# Altium PCB obc_board.PcbDoc (part 1 of 2) (continued)
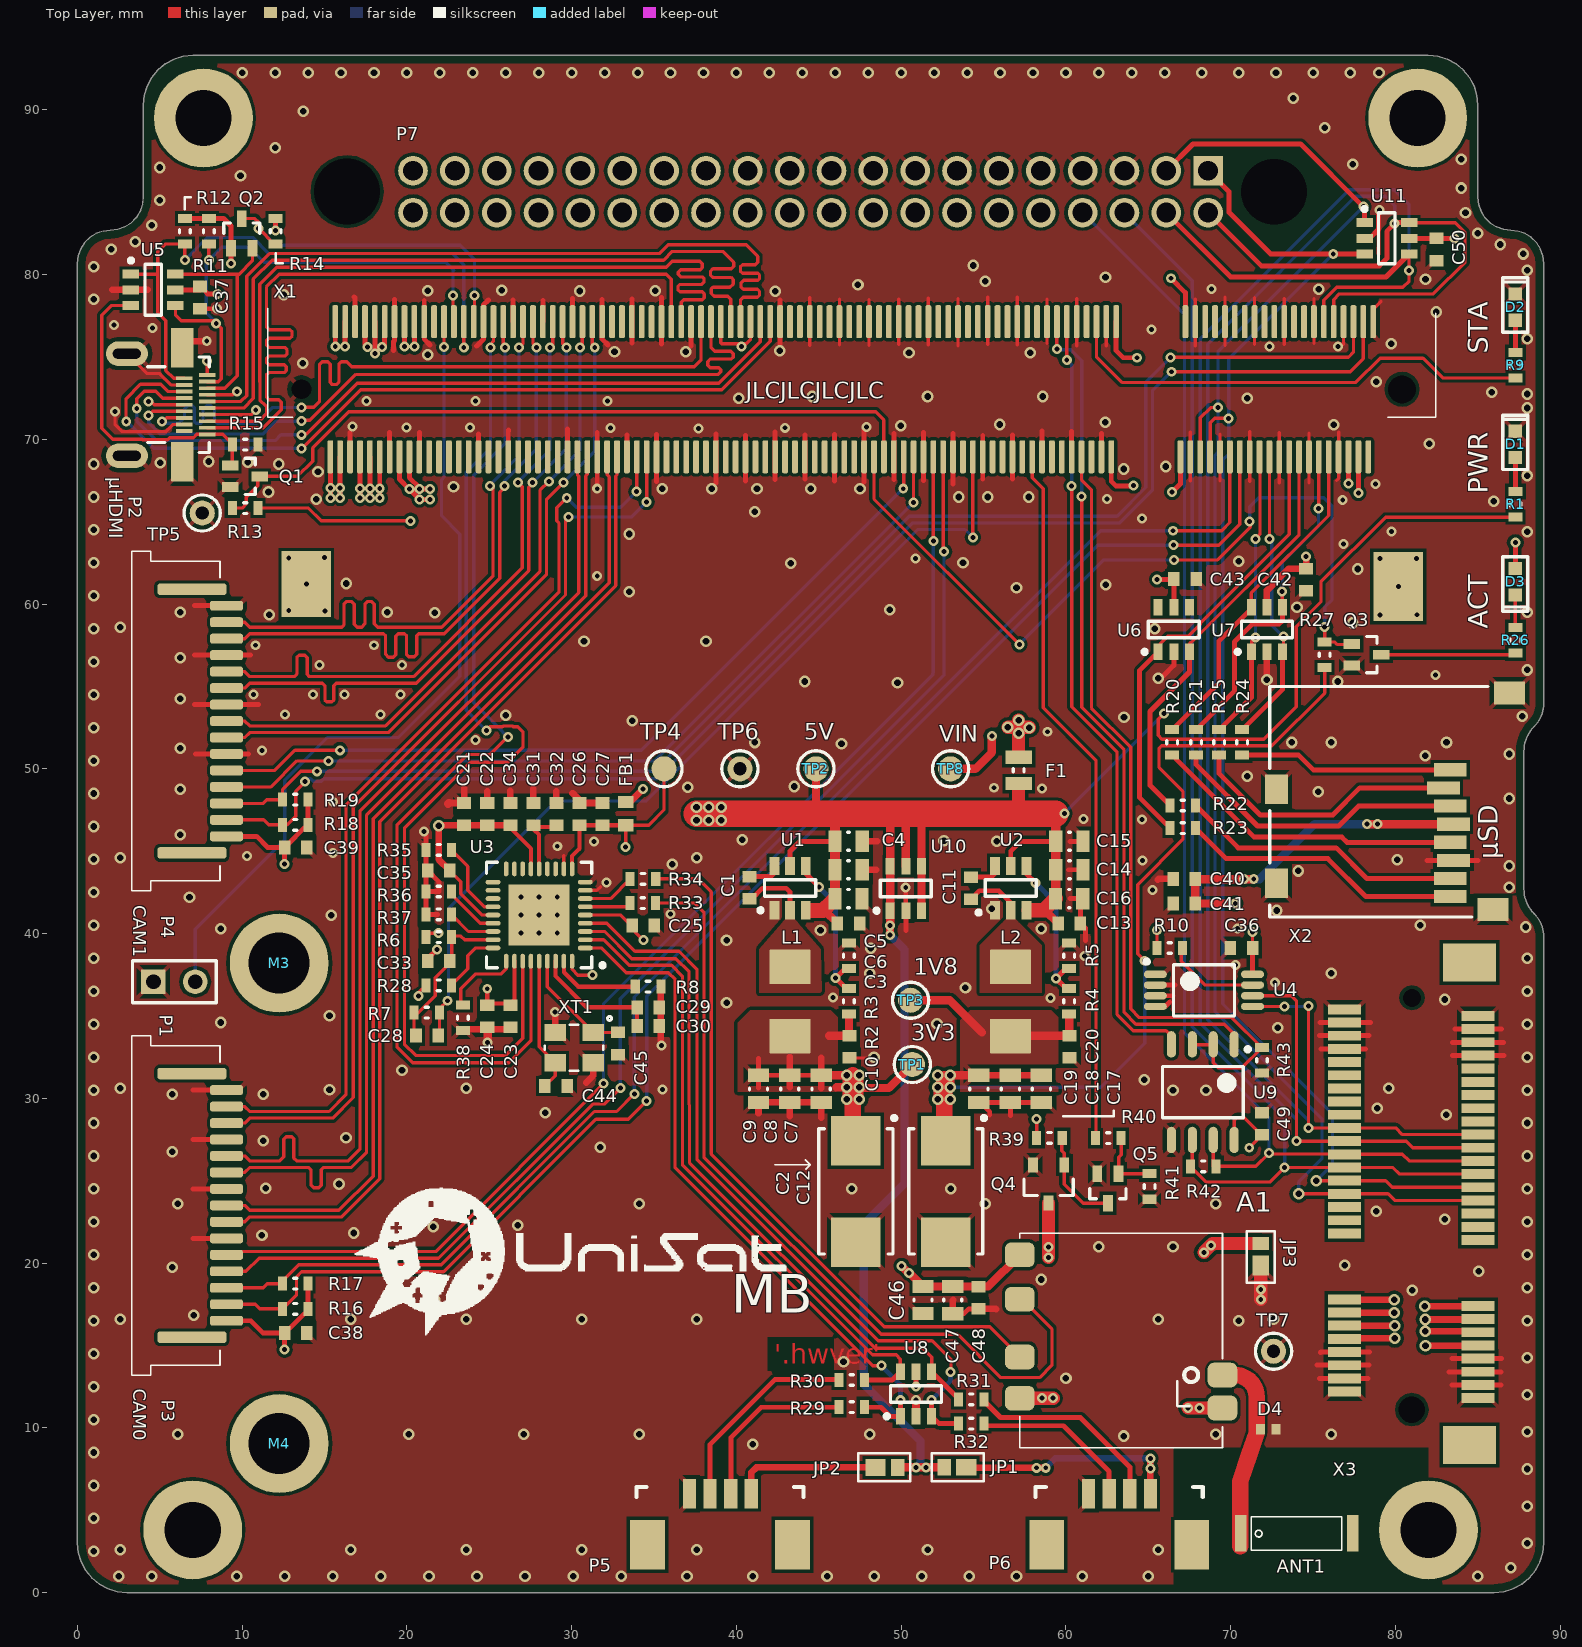
[diagram p0: Top Layer view]
## Components (designator, comment, footprint, x,y, rotation, side; value= is the part's Value field where it differs from the comment)
A1 "RTL8188CUS" RTL8188 69.5,8.8 r180 top locked
ANT1 "ANT7020LL05R2400A" ANT7020LL05 70.6,3.6 r0 top
C1 "100n" C0603_IPC_HD 40.8,42.775 r90 top
C2 "220u" TANT_CAP_7343 47.25,24.35 r270 top
C3 "100n" C0603_IPC_HD 46.8,40.625 r0 top
C4 "10u" C0805_IPC_HD 46.811,45.6 r180 top
C5 "10u" C0805_IPC_HD 46.811,43.875 r180 top
C6 "22u" C0805_IPC_HD 46.803,42.125 r0 top
C7 "22u" C0805_IPC_HD 45.138,30.575 r270 top
C8 "22u" C0805_IPC_HD 43.238,30.575 r270 top
C9 "22u" C0805_IPC_HD 41.338,30.575 r270 top
C10 "100n" C0603_IPC_HD 46.852,33.125 r270 top
C11 "100n" C0603_IPC_HD 54.225,42.755 r90 top
C12 "220u" TANT_CAP_7343 52.7,24.35 r270 top
C13 "100n" C0603_IPC_HD 60.2,40.625 r0 top
C14 "10u" C0805_IPC_HD 60.208,43.875 r180 top
C15 "10u" C0805_IPC_HD 60.208,45.6 r180 top
C16 "22u" C0805_IPC_HD 60.2,42.125 r0 top
C17 "22u" C0805_IPC_HD 58.513,30.575 r270 top
C18 "22u" C0805_IPC_HD 56.625,30.575 r270 top
C19 "22u" C0805_IPC_HD 54.713,30.575 r270 top
C20 "100n" C0603_IPC_HD 60.225,33.125 r270 top
C21 "1u" C0603_IPC_HD 23.475,47.25 r270 top
C22 "100n" C0603_IPC_HD 24.875,47.25 r270 top
C23 "100n" C0603_IPC_HD 26.275,34.975 r90 top
C24 "100n" C0603_IPC_HD 24.875,34.975 r90 top
C25 "100n" C0603_IPC_HD 34.35,40.475 r180 top
C26 "100n" C0603_IPC_HD 30.475,47.25 r270 top
C27 "100n" C0603_IPC_HD 31.875,47.25 r270 top
C28 "100n" C0603_IPC_HD 21.225,33.8 r180 top
C29 "100n" C0603_IPC_HD 34.65,35.525 r180 top
C30 "1u" C0603_IPC_HD 34.65,34.375 r180 top
C31 "100n" C0603_IPC_HD 27.675,47.25 r270 top
C32 "1u" C0603_IPC_HD 29.075,47.25 r270 top
C33 "100n" C0603_IPC_HD 21.925,38.32 r180 top
C34 "100n" C0603_IPC_HD 26.275,47.25 r270 top
C35 "100n" C0603_IPC_HD 21.925,43.825 r0 top
C36 "100n" C0603_IPC_HD 70.65,39.125 r0 top
C37 "100n" C0603_IPC_HD 7.45,78.6 r90 top
C38 "100n" C0603_IPC_HD 13.25,15.75 r180 top
C39 "100n" C0603_IPC_HD 13.25,45.225 r180 top
C40 "100n" C0603_IPC_HD 67.175,43.325 r0 top
C41 "1u" C0603_IPC_HD 67.175,41.825 r0 top
C42 "100n" C0603_IPC_HD 74.575,61.475 r90 top
C43 "100n" C0603_IPC_HD 67.225,61.525 r180 top
C44 "18p" C0603_IPC_HD 29.05,30.75 r180 top
C45 "18p" C0603_IPC_HD 32.825,33.325 r90 top
C46 "22u" C0805_IPC_HD 51.325,17.758 r270 top
C47 "10u" C0805_IPC_HD 53.125,17.75 r90 top
C48 "100n" C0603_IPC_HD 54.7,17.9 r90 top
C49 "100n" C0603_IPC_HD 71.9,28.45 r270 top
C50 "100n" C0603_IPC_HD 82.5,81.525 r90 top
D1 "LTST-C190GKT" LED_0603 87.275,69.687 r270 top
D2 "LTST-C190GKT" LED_0603 87.275,78.025 r270 top
D3 "LTST-C190GKT" LED_0603 87.275,61.35 r90 top
D4 "LXES15AAA1-153" C0402_IPC_MD 72.275,9.925 r180 top
F1 "3A" F0603_IPC_MD 57.125,49.9 r270 top
FB1 "MH1608-601Y" L0603_IPC_MD 33.275,47.28 r270 top
JP1 "Jumper" SOLDERHUMP1 53.45,7.606 r180 top
JP2 "Jumper" SOLDERHUMP1 48.95,7.6 r0 top
JP3 "Jumper" SOLDERHUMP1 71.825,20.35 r90 top
L1 "2.2uH" ASPI-0520LR 43.25,35.875 r270 top
L2 "2.2uH" ASPI-0520LR 56.637,35.875 r270 top
M3 "9774030151R" 9774030151R 12.247,38.203 r0 top locked
M4 "9774030151R" 9774030151R 12.247,9.047 r0 top locked
P1 "RESET" HDR1X2 4.61,37.075 r0 top
P2 "10118241-001RLF" 10118241-001RLF 1.3,72.1 r270 top locked
P3 "SFW15R-1STE1LF" SFW15R-1STE1LF 8,23.5 r270 top locked
P4 "SFW15R-1STE1LF" SFW15R-1STE1LF 8,52.9 r270 top locked
P5 "PicoBlade_4R" PB_53261-0471_RIGHT 40.9,6 r180 top locked
P6 "PicoBlade_4R" PB_53261-0471_RIGHT 65.125,6 r180 top
P7 "55040F" HEADER_40PIN_12MM2 68.63,86.3 r180 top locked
Q1 "BSS816NW" SOT323 10.175,67.75 r0 top
Q2 "BSS816NW" SOT323 9.975,82.5 r90 top
Q3 "BSS816NW" SOT323 78.25,56.925 r0 top
Q4 "DMG2302UK-7" SOT23 58.95,24.8 r270 top
Q5 "BSS816NW" SOT323 62.55,24.525 r270 top
R1 "1k" R0603_IPC_MD 87.275,66.05 r270 top
R2 "33.2k" R0603_IPC_MD 46.825,35.9 r270 top
R3 "10.0k" R0603_IPC_MD 46.825,38.65 r270 top
R4 "13.7k" R0603_IPC_MD 60.2,35.9 r270 top
R5 "10.0k" R0603_IPC_MD 60.2,38.65 r270 top
R6 "100k" R0603_IPC_MD 21.939,39.783 r180 top
R7 "1k" R0603_IPC_MD 21.2,35.2 r180 top
R8 "12k" R0603_IPC_MD 34.634,36.775 r180 top
R9 "330R" R0603_IPC_MD 87.275,74.5 r270 top
R10 "100k" R0603_IPC_MD 66.3,39.125 r180 top
R11 "1.8K" R0603_IPC_MD 7.975,82.625 r90 top
R12 "1.8K" R0603_IPC_MD 6.522,82.625 r90 top
R13 "100k" R0603_IPC_MD 10.175,65.825 r0 top
R14 "100k" R0603_IPC_MD 12.025,82.625 r90 top
R15 "100k" R0603_IPC_MD 10.175,69.675 r180 top
R16 "1.8K" R0603_IPC_MD 13.225,17.225 r0 top
R17 "1.8K" R0603_IPC_MD 13.225,18.75 r0 top
R18 "1.8K" R0603_IPC_MD 13.225,46.6 r0 top
R19 "1.8K" R0603_IPC_MD 13.225,48.125 r0 top
R20 "22R" R0603_IPC_MD 66.45,51.6 r270 top
R21 "22R" R0603_IPC_MD 67.9,51.6 r270 top
R22 "22R" R0603_IPC_MD 67.1,47.775 r0 top
R23 "22R" R0603_IPC_MD 67.1,46.4 r0 top
R24 "22R" R0603_IPC_MD 70.7,51.6 r270 top
R25 "22R" R0603_IPC_MD 69.3,51.6 r270 top
R26 "330R" R0603_IPC_MD 87.275,57.8 r90 top
R27 "100k" R0603_IPC_MD 75.7,56.925 r270 top
R28 "22R" R0603_IPC_MD 21.925,36.85 r0 top
R29 "22R" R0603_IPC_MD 47,11.25 r180 top
R30 "22R" R0603_IPC_MD 47,12.9 r180 top
R31 "22R" R0603_IPC_MD 54.25,11.725 r0 top
R32 "22R" R0603_IPC_MD 54.25,10.25 r0 top
R33 "22R" R0603_IPC_MD 34.325,41.85 r0 top
R34 "22R" R0603_IPC_MD 34.327,43.319 r0 top
R35 "100k" R0603_IPC_MD 21.925,45.075 r0 top
R36 "100k" R0603_IPC_MD 21.925,42.555 r0 top
R37 "100k" R0603_IPC_MD 21.925,41.16 r0 top
R38 "100k" R0603_IPC_MD 23.4,34.9 r90 top
R39 "100k" R0603_IPC_MD 59,27.6 r180 top
R40 "1k" R0603_IPC_MD 62.575,27.578 r0 top
R41 "100k" R0603_IPC_MD 65.075,24.65 r90 top
R42 "120R" R0603_IPC_MD 68.325,25.875 r180 top
R43 "100k" R0603_IPC_MD 71.9,32.3 r90 top
TP1 "3V3" TestPoint_1M5 50.675,32.05 r180 top
TP2 "5V" TestPoint_1M5 44.827,50 r0 top
TP3 "1V8" TestPoint_1M5 50.575,35.95 r180 top
TP4 "VDDA_USB" TestPoint_1M5 35.6,50 r90 top
TP5 "Test Point" TestPoint_1M5_TH 7.575,65.525 r0 top
TP6 "Test Point" TestPoint_1M5_TH 40.213,50 r0 top
TP7 "Test Point" TestPoint_1M5_TH 72.6,14.65 r0 top
TP8 "VIN" TestPoint_1M5 53,50 r0 top
U1 "TPS565201DDCR" SOT23-6_(TI) 43.258,42.762 r90 top
U2 "TPS565201DDCR" SOT23-6_(TI) 56.65,42.762 r90 top
U3 "USB2514B/M2" QFN36 28.025,41.125 r180 top
U4 "M24C64-RDW6TP" TSSOP8_(ST) 68.375,36.55 r0 top
U5 "TPD4E001DBVR" SOT23-6 4.6,79.075 r0 top
U6 "TPD4E001DBVR" SOT23-6 66.55,58.45 r90 top
U7 "TPD4E001DBVR" SOT23-6 72.2,58.45 r90 top
U8 "TPD4E001DBVR" SOT23-6 50.9,12.05 r90 top
U9 "ST1480ABDR" SOIC-8 68.305,30.375 r270 top
U10 "TPD4E001DBVR" SOT23-6 50.279,42.737 r90 top
U11 "TPD4E001DBVR" SOT23-6 79.475,82.2 r0 top
X1 "1717254-4" 1717254-1 47,69.1 r180 top locked
X2 "TF-02A" TF-02A 80.1,48 r90 top locked
X3 "1775838-2" 1775838-2 81,11.1 r90 top locked
XT1 "TSX-3225-24.0000MF15X-AC6" 3.2x2.5_4pad_smd 30.15,33.075 r180 top

## Footprints (in the part's own frame and the unit in brackets; to place one, negate y for a bottom-side part, rotate by r counter-clockwise, add the part's x,y. Pads: shape width x height; smd on the part's side, far side on the other; paste and mask are expansions set on the pad)
3.2x2.5_4pad_smd [mm] "3.2x2.5mm 4Pad SMD"
  rect 1.3x1.05 smd paste+0: 1(-1.15,-0.925) 2(1.15,-0.925) 3(1.15,0.925) 4(-1.15,0.925)
  silkscreen extent -2.28,-1.9 1.78,1.4, body extent -1.6,-1.24 1.6,1.24, height 0.8
1717254-1 [mm] "CONN SKT SODIMM 200POS R/A SMD"
  rrect50% 0x0 hole 1.7 paste-0.05 mask+0.052: 0(-33.4,-3.938)
  rrect50% 0.35x2 smd paste-0.05 mask+0.052: 1(-31.65,-8.038) 2(-31.35,0.162) 3(-31.05,-8.038) 4(-30.75,0.162) 5(-30.45,-8.038) 6(-30.15,0.162) 7(-29.85,-8.038) 8(-29.55,0.162) 9(-29.25,-8.038) 10(-28.95,0.162) 11(-28.65,-8.038) 12(-28.35,0.162) 13(-28.05,-8.038) 14(-27.75,0.162) 15(-27.45,-8.038) 16(-27.15,0.162) 17(-26.85,-8.038) 18(-26.55,0.162) 19(-26.25,-8.038) 20(-25.95,0.162) 21(-25.65,-8.038) 22(-25.35,0.162) 23(-25.05,-8.038) 24(-24.75,0.162) 25(-24.45,-8.038) 26(-24.15,0.162) 27(-23.85,-8.038) 28(-23.55,0.162) 29(-23.25,-8.038) 30(-22.95,0.162) 31(-22.65,-8.038) 32(-22.35,0.162) 33(-22.05,-8.038) 34(-21.75,0.162) 35(-21.45,-8.038) 36(-21.15,0.162) 37(-20.85,-8.038) 38(-20.55,0.162) 39(-20.25,-8.038) 40(-19.95,0.162) 41(-16.05,-8.038) 42(-15.75,0.162) 43(-15.45,-8.038) 44(-15.15,0.162) 45(-14.85,-8.038) 46(-14.55,0.162) 47(-14.25,-8.038) 48(-13.95,0.162) 49(-13.65,-8.038) 50(-13.35,0.162) 51(-13.05,-8.038) 52(-12.75,0.162) 53(-12.45,-8.038) 54(-12.15,0.162) 55(-11.85,-8.038) 56(-11.55,0.162) 57(-11.25,-8.038) 58(-10.95,0.162) 59(-10.65,-8.038) 60(-10.35,0.162) 61(-10.05,-8.038) 62(-9.75,0.162) 63(-9.45,-8.038) 64(-9.15,0.162) 65(-8.85,-8.038) 66(-8.55,0.162) 67(-8.25,-8.038) 68(-7.95,0.162) 69(-7.65,-8.038) 70(-7.35,0.162) 71(-7.05,-8.038) 72(-6.75,0.162) 73(-6.45,-8.038) 74(-6.15,0.162) 75(-5.85,-8.038) 76(-5.55,0.162) 77(-5.25,-8.038) 78(-4.95,0.162) 79(-4.65,-8.038) 80(-4.35,0.162) 81(-4.05,-8.038) 82(-3.75,0.162) 83(-3.45,-8.038) 84(-3.15,0.162) 85(-2.85,-8.038) 86(-2.55,0.162) 87(-2.25,-8.038) 88(-1.95,0.162) 89(-1.65,-8.038) 90(-1.35,0.162) 91(-1.05,-8.038) 92(-0.75,0.162) 93(-0.45,-8.038) 94(-0.15,0.162) 95(0.15,-8.038) 96(0.45,0.162) 97(0.75,-8.038) 98(1.05,0.162) 99(1.35,-8.038) 100(1.65,0.162) 101(1.95,-8.038) 102(2.25,0.162) 103(2.55,-8.038) 104(2.85,0.162) 105(3.15,-8.038) 106(3.45,0.162) 107(3.75,-8.038) 108(4.05,0.162) 109(4.35,-8.038) 110(4.65,0.162) 111(4.95,-8.038) 112(5.25,0.162) 113(5.55,-8.038) 114(5.85,0.162) 115(6.15,-8.038) 116(6.45,0.162) 117(6.75,-8.038) 118(7.05,0.162) 119(7.35,-8.038) 120(7.65,0.162) 121(7.95,-8.038) 122(8.25,0.162) 123(8.55,-8.038) 124(8.85,0.162) 125(9.15,-8.038) 126(9.45,0.162) 127(9.75,-8.038) 128(10.05,0.162) 129(10.35,-8.038) 130(10.65,0.162) 131(10.95,-8.038) 132(11.25,0.162) 133(11.55,-8.038) 134(11.85,0.162) 135(12.15,-8.038) 136(12.45,0.162) 137(12.75,-8.038) 138(13.05,0.162) 139(13.35,-8.038) 140(13.65,0.162) 141(13.95,-8.038) 142(14.25,0.162) 143(14.55,-8.038) 144(14.85,0.162) 145(15.15,-8.038) 146(15.45,0.162) 147(15.75,-8.038) 148(16.05,0.162) 149(16.35,-8.038) 150(16.65,0.162) 151(16.95,-8.038) 152(17.25,0.162) 153(17.55,-8.038) 154(17.85,0.162) 155(18.15,-8.038) 156(18.45,0.162) 157(18.75,-8.038) 158(19.05,0.162) 159(19.35,-8.038) 160(19.65,0.162) 161(19.95,-8.038) 162(20.25,0.162) 163(20.55,-8.038) 164(20.85,0.162) 165(21.15,-8.038) 166(21.45,0.162) 167(21.75,-8.038) 168(22.05,0.162) 169(22.35,-8.038) 170(22.65,0.162) 171(22.95,-8.038) 172(23.25,0.162) 173(23.55,-8.038) 174(23.85,0.162) 175(24.15,-8.038) 176(24.45,0.162) 177(24.75,-8.038) 178(25.05,0.162) 179(25.35,-8.038) 180(25.65,0.162) 181(25.95,-8.038) 182(26.25,0.162) 183(26.55,-8.038) 184(26.85,0.162) 185(27.15,-8.038) 186(27.45,0.162) 187(27.75,-8.038) 188(28.05,0.162) 189(28.35,-8.038) 190(28.65,0.162) 191(28.95,-8.038) 192(29.25,0.162) 193(29.55,-8.038) 194(29.85,0.162) 195(30.15,-8.038) 196(30.45,0.162) 197(30.75,-8.038) 198(31.05,0.162) 199(31.35,-8.038) 200(31.65,0.162)
  rrect50% 0x0 hole 1.2 paste-0.05 mask+0.052: 1(33.4,-3.938)
  rect 3x4.2 smd mask+0.052: PAD1(-33.175,8.038)
  rect 3x4 smd mask+0.052: PAD2(33.1,7.887)
  silkscreen extent -35.45,-8.84 35.45,-2.24, body extent -35.75,-8.94 35.75,17.1, height 5.18
1775838-2 [mm] "CONN PCI EXP MINI FEMALE 52POS"
  rect 1x1 hole 1.6 unplated: 0(0,0)
  round 1 hole 1.1 unplated mask+0.051: 0(25,0)
  rect 0.6x2 smd mask+0.051: 1(0.7,-4) 2(1.1,4.1) 3(1.5,-4) 4(1.9,4.1) 5(2.3,-4) 6(2.7,4.1) 7(3.1,-4) 8(3.5,4.1) 9(3.9,-4) 10(4.3,4.1) 11(4.7,-4) 12(5.1,4.1) 13(5.5,-4) 14(5.9,4.1) 15(6.3,-4) 16(6.7,4.1) 17(10.3,-4) 18(10.7,4.1) 19(11.1,-4) 20(11.5,4.1) 21(11.9,-4) 22(12.3,4.1) 23(12.7,-4) 24(13.1,4.1) 25(13.5,-4) 26(13.9,4.1) 27(14.3,-4) 28(14.7,4.1) 29(15.1,-4) 30(15.5,4.1) 31(15.9,-4) 32(16.3,4.1) 33(16.7,-4) 34(17.1,4.1) 35(17.5,-4) 36(17.9,4.1) 37(18.3,-4) 38(18.7,4.1) 39(19.1,-4) 40(19.5,4.1) 41(19.9,-4) 42(20.3,4.1) 43(20.7,-4) 44(21.1,4.1) 45(21.5,-4) 46(21.9,4.1) 47(22.3,-4) 48(22.7,4.1) 49(23.1,-4) 50(23.5,4.1) 51(23.9,-4) 52(24.3,4.1)
  rect 2.3x3.2 smd: MNT1(-2.15,-3.5) MNT2(27.15,-3.5)
  body extent -2.45,-4.56 27.45,4.51, height 5.57
10118241-001RLF [mm] "HDMI - Micro Receptacle Connector 19 Position Surface Mount, Right Angle; Through Hole"
  rrect5% 0.23x1 smd paste-3 mask+0.051: 1(1.8,6.575) 2(1.6,5.175) 3(1.4,6.575) 4(1.2,5.175) 5(1,6.575) 6(0.8,5.175) 7(0.6,6.575) 8(0.4,5.175) 9(0.2,6.575) 10(0,5.175) 11(-0.2,6.575) 12(-0.4,5.175) 13(-0.6,6.575) 14(-0.8,5.175) 15(-1,6.575) 16(-1.2,5.175) 17(-1.4,6.575) 18(-1.6,5.175) 19(-1.8,6.575)
  rrect5% 2.4x1.38 smd: 20(3.45,5.07) 22(-3.45,5.07)
  oval 1.5x2.55 hole 0.6 slot 1.7 at 90 deg: 21(3.1,1.7) 23(-3.1,1.7)
  silkscreen extent -2.9,2.98 2.9,6.7, body extent -4.45,-0.7 4.45,6.8, height 2.98
9774030151R [mm] "PCB HOLDER M2.5 height 3 mm"
  round 6 hole 3.7 unplated: 0(0,0)
  body extent -2.55,-2.55 2.55,2.55, height 3
ANT7020LL05 [mm] "RF ANT CHIP SOLDER SMD"
  rect 0.7x2.2 smd: 1(0,0) 2(6.8,0)
  silkscreen extent 0.65,-1.02 6.15,1, body extent -0.1,-1.01 6.9,1.01, height 0.76
ASPI-0520LR [mm] "Unshielded Molded Inductor 5.6x5.2x2.2mm Nonstandard"
  rrect5% 2.1x2.5 smd: 1(-2.1,0) 2(2.1,0)
  body extent -2.8,-2.6 2.8,2.6, height 2
C0402_IPC_MD [mm] "Chip Capacitor, 2-Leads, Body 1,00x0,50mm, IPC Medium Density"
  rect 0.55x0.64 smd: 1(-0.475,0) 2(0.475,0)
  body extent -0.5,-0.25 0.5,0.25, height 0.5
C0603_IPC_HD [mm] "Chip Capacitor, 2-Leads, Body 1,60x0,80mm, IPC High Density"
  rect 0.7x0.85 smd: 1(-0.675,0) 2(0.675,0)
  body extent -0.8,-0.4 0.8,0.4, height 0.8
C0805_IPC_HD [mm] "Chip Capacitor, 2-Leads, Body 2,00x1,25mm, IPC High Density"
  rect 0.8x1.3 smd: 1(-0.825,0) 2(0.825,0)
  silkscreen extent -0.05,-0.55 0.05,0.55, body extent -1,-0.63 1,0.63, height 1.25
F0603_IPC_MD [mm] "Chip Fuse 2-Leads, Body 1,60x0,80mm, IPC Medium Density"
  rect 0.8x1.6 smd: 1(-0.8,0) 2(0.8,0)
  silkscreen extent -0.1,-0.33 0.1,0.33, body extent -0.87,-0.47 0.88,0.48, height 0.95
HDR1X2 [mm] "Connector; Header; 2 Position"
  rect 1.5x1.5 hole 0.9: 1(0,0)
  round 1.5 hole 0.9: 2(2.54,0)
  silkscreen extent -1.27,-1.27 3.81,1.27
HEADER_40PIN_12MM2 [mm] "CONN HEADER R/A 40POS 2.54MM"
  rect 1.8x1.8 hole 1.2: 1(0,0)
  round 1.8 hole 1.2: 2(0,2.54) 3(2.54,0) 4(2.54,2.54) 5(5.08,0) 6(5.08,2.54) 7(7.62,0) 8(7.62,2.54) 9(10.16,0) 10(10.16,2.54) 11(12.7,0) 12(12.7,2.54) 13(15.24,0) 14(15.24,2.54) 15(17.78,0) 16(17.78,2.54) 17(20.32,0) 18(20.32,2.54) 19(22.86,0) 20(22.86,2.54) 21(25.4,0) 22(25.4,2.54) 23(27.94,0) 24(27.94,2.54) 25(30.48,0) 26(30.48,2.54) 27(33.02,0) 28(33.02,2.54) 29(35.56,0) 30(35.56,2.54) 31(38.1,0) 32(38.1,2.54) 33(40.64,0) 34(40.64,2.54) 35(43.18,0) 36(43.18,2.54) 37(45.72,0) 38(45.72,2.54) 39(48.26,0) 40(48.26,2.54)
  round 2 hole 4 unplated mask+0: PMNT1(-4,1.275) PMNT2(52.26,1.27)
  body extent -1.5,-1.26 49.81,3.82, height 11.05
L0603_IPC_MD [mm] "Chip Inductor, 2-Leads, Body 1,60x0,80mm, IPC Medium Density"
  rect 0.75x0.94 smd: 1(-0.705,0) 2(0.705,0)
  body extent -0.85,-0.4 0.85,0.4, height 0.8
LED_0603 [mm]
  rect 0.8x0.8 smd: 1(-0.8,0) 2(0.8,0)
  silkscreen extent -1.78,-0.76 1.52,0.76, body extent -0.85,-0.4 0.85,0.4, height 0.66
PB_53261-0471_RIGHT [mm]
  rect 0.8x1.8 smd: 1(0,0) 2(1.25,0) 3(2.5,0) 4(3.75,0)
  rect 2.1x3 smd: 5(-2.5,3.1) 5(6.3,3.1)
  silkscreen extent -3.17,-0.4 6.98,0.2, body extent -3.17,-0.4 6.97,4.8, height 3.4
QFN36 [mm] "QFN, 36-Leads, Body 6.00x6.00mm, Pitch 0.50mm, Thermal Pad 3.70x3.70mm, IPC High Density"
  oval 0.9x0.28 smd mask+0.051: 1(-2.8,2) 2(-2.8,1.5) 3(-2.8,1) 4(-2.8,0.5) 5(-2.8,0) 6(-2.8,-0.5) 7(-2.8,-1) 8(-2.8,-1.5) 9(-2.8,-2) 19(2.8,-2) 20(2.8,-1.5) 21(2.8,-1) 22(2.8,-0.5) 23(2.8,0) 24(2.8,0.5) 25(2.8,1) 26(2.8,1.5) 27(2.8,2)
  oval 0.28x0.9 smd mask+0.051: 10(-2,-2.8) 11(-1.5,-2.8) 12(-1,-2.8) 13(-0.5,-2.8) 14(0,-2.8) 15(0.5,-2.8) 16(1,-2.8) 17(1.5,-2.8) 18(2,-2.8) 28(2,2.8) 29(1.5,2.8) 30(1,2.8) 31(0.5,2.8) 32(0,2.8) 33(-0.5,2.8) 34(-1,2.8) 35(-1.5,2.8) 36(-2,2.8)
  rect 3.7x3.7 smd: 37(0,0)
  silkscreen extent -3.98,-3.2 3.2,3.2, body extent -3.06,-3.06 3.06,3.06, height 1
R0603_IPC_MD [mm] "Chip Resistor, 2-Leads, Body 1,60x0,80mm, IPC Medium Density"
  rect 0.55x0.85 smd: 1(-0.775,0) 2(0.775,0)
  silkscreen extent -0.1,-0.33 0.1,0.33, body extent -0.85,-0.4 0.85,0.4, height 0.45
RTL8188 [mm] "WiFi module RTL8188ETV"
  rrect50% 1.8x1.5 smd: 1(0,-4.4) 2(0,-2.4) 3(12.3,-3) 4(12.3,-5.5) 5(12.3,-9) 6(12.3,-11.7)
  silkscreen extent 0,-13 12.3,0, body extent 0,-13 12.3,0, height 1.6
SFW15R-1STE1LF [mm] "CONN FFC BOTTOM 15POS 1.00MM R/A"
  rrect50% 0.6x2 smd: 1(-7,1.05) 2(-6,1.05) 3(-5,1.05) 4(-4,1.05) 5(-3,1.05) 6(-2,1.05) 7(-1,1.05) 8(0,1.05) 9(1,1.05) 10(2,1.05) 11(3,1.05) 12(4,1.05) 13(5,1.05) 14(6,1.05) 15(7,1.05)
  rrect50% 0.7x4.2 smd: SH1(-8,-1.05) SH2(8,-1.05)
  silkscreen extent -10.3,-4.7 10.3,0.65, body extent -10.4,-4.8 10.4,1.7, height 2.7
SOIC-8 [mm] "SOIC, 8-Leads, Body 4.93x3.94mm, Pitch 1.27mm, IPC High Density"
  oval 1.6x0.55 smd: 1(-2.9,1.905) 2(-2.9,0.635) 3(-2.9,-0.635) 4(-2.9,-1.905) 5(2.9,-1.905) 6(2.9,-0.635) 7(2.9,0.635) 8(2.9,1.905)
  silkscreen extent -2.72,-2.45 1.55,2.86, body extent -3,-2.45 3,2.45, height 1.63
SOLDERHUMP1 [mm]
  rect 1.22x1.02 smd paste-10 mask+0.1: 1(-0.5,0)
  rect 0.8x1.02 smd paste-10 mask+0.1: 2(0.84,0)
  silkscreen extent -1.56,-0.86 1.59,0.86
SOT23 [mm] "SOT23, 3-Leads, Body 2,90x2,30mm, Pitch 0,95mm, IPC Medium Density"
  rect 0.9x0.6 smd: 1(-1.15,0.95) 2(-1.15,-0.95) 3(1.15,0)
  silkscreen extent -0.3,-1.5 0.7,1.5, body extent -1.25,-1.5 1.25,1.5, height 1.1
SOT23-6 [mm] "SOT23, 6-Leads, Body 2,90x2,80mm, Pitch 0,95mm, IPC Medium Density"
  rect 1x0.55 smd: 1(-1.35,0.95) 2(-1.35,0) 3(-1.35,-0.95) 4(1.35,-0.95) 5(1.35,0) 6(1.35,0.95)
  silkscreen extent -1.47,-1.55 0.5,1.9, body extent -1.5,-1.53 1.5,1.53, height 1.45
SOT23-6_(TI) [mm] "SOT23, 6-Leads, Body 2,90x2,80mm, Pitch 0,95mm, IPC Medium Density"
  rect 1.1x0.6 smd: 1(-1.35,0.95) 2(-1.35,0) 3(-1.35,-0.95) 4(1.35,-0.95) 5(1.35,0) 6(1.35,0.95)
  silkscreen extent -1.47,-1.55 0.5,1.92, body extent -1.53,-1.53 1.53,1.53, height 1.1
SOT323 [mm] "SOT23, 3-Leads, Body 2.00x2.10mm, Pitch 0.65mm, IPC High Density"
  rect 1x0.6 smd: 1(-0.9,0.65) 2(-0.9,-0.65) 3(0.9,0)
  silkscreen extent 0,-1.1 0.63,1.1, body extent -1.2,-1.1 1.2,1.1, height 1
TANT_CAP_7343 [mm] "Molded Capacitor, 2-Leads, Body 7,30x4,30mm, IPC Medium Density"
  rect 3x3 smd: 1(-3.075,0) 2(3.075,0)
  silkscreen extent -4.57,-2.25 3.8,2.45, body extent -4.02,-2.25 4.02,2.25, height 2
TestPoint_1M5 [mil] "Test Point d=1.5mm"
  round 60 smd paste-393.7: 0(0,0)
  silkscreen extent -43,-43 43,43
TestPoint_1M5_TH [mil] "Test Point d=1.5mm"
  round 60 hole 31.5 paste-393.7: 0(0,0)
  silkscreen extent -43,-43 43,43
TF-02A [mm] "Micro SD Memory Card Connector, 1.88mm Profile SMT,Push Push, with normally closed switch"
  rect 0.8x2 smd: 1(1.94,-3.225) 2(0.84,-2.825) 3(-0.26,-3.225) 4(-1.36,-3.425) 5(-2.46,-3.225) 6(-3.56,-3.425) 7(-4.66,-3.225) 8(-5.76,-3.225)
  rect 1.8x1.4 smd: 9(-4.95,7.325) 10(0.75,7.325)
  rect 1.4x1.9 smd: 11(-6.55,-5.825) 12(6.6,-6.825)
  silkscreen extent -7,-5.5 7,7.73, body extent -7.13,-7.65 7.07,7.8, height 1.95
TSSOP8_(ST) [mm] "TSOP, 8-Leads, Body 3,00x4,40mm, Pitch 0,65mm, IPC Medium Density"
  oval 1.4x0.45 smd mask+0.051: 1(-2.95,0.975) 2(-2.95,0.325) 3(-2.95,-0.325) 4(-2.95,-0.975) 5(2.95,-0.975) 6(2.95,-0.325) 7(2.95,0.325) 8(2.95,0.975)
  silkscreen extent -3.6,-1.55 1.85,1.87, body extent -3.2,-1.55 3.2,1.55, height 1.2

## Part data
A1: "USB WiFi module"
ANT1: "RF ANT 2.4GHZ CHIP SOLDER SMD"
C1 C3 C10 C11 C13 C20 C22 C23 C24 C25 C26 C27 C28 C29 C31 C33 C34 C35 C36 C37 C38 C39 C40 C42 C43 C48 C49 C50: library part CL10B104KO8NNNC, "CAP CER 0.1UF 16V X7R 0603"
C2 C12: library part 6TPE220MI, "Tantalum Capacitors 220uF 6.3V CASE-D_7343 RoHS"
C4 C5 C14 C15 C47: library part CL21B106KOQNNNG, "CAP CER 10UF 16V X7R 0805"
C6 C7 C8 C9 C16 C17 C18 C19 C46: library part CL21A226MOCLRNC, "CAP CER 22UF 16V X5R 0805"
C21 C30 C32 C41: library part CL10B105MO8NNWC, "CAP CER 1UF 16V X7R 0603"
C44 C45: library part CL10C180JB8NNNC, "CAP CER 18PF 50V C0G/NP0 0603"
D1 D2 D3: "LED GREEN CLEAR CHIP SMD 0603"
D4: "TVS DIODE 4V 0402"
F1: library part C2Q3, "FUSE BRD MNT 3A 32VAC 63VDC 0603"
FB1: "FERRITE BEAD 600R@100MHz 0603 for Power Line, 1000mA"
JP1 JP2 JP3: "Jumper 2.54mm 1 pos"
L1 L2: library part ASPI-0520LR-2R2M-T2, "FIXED IND 2.2UH 5.5A 36 MOHM SMD"
M3 M4: library part STANDOFF_M2.5X0.45_3MM, "RND STANDOFF M2.5X0.45 STEEL 3MM"
P1: library part "Header 2", "Header, 2-Pin"
P2: "CONN RCP MICRO HDMI 19POS SMD RA"
P3 P4: "CONN FFC BOTTOM 15POS 1.00MM R/A"
P5 P6: "Connector Header Surface Mount 4 position 0.049\" (1.25mm)"
P7: library part ALFASAT_BIC, "CONN HEADER R/A 40POS 2.54MM"
Q1 Q2 Q3 Q5: library part BSS816, "N-Channel Logic Level Enhancement Mode Field Effect Transistor"
Q4: library part DMG2302, "N-Channel Logic Level Enhancement Mode Field Effect Transistor"
R1 R7 R40: library part CR0603-JW-102ELF, "RES SMD 1K OHM 5% 1/10W 0603"
R2: library part RMCF0603FT33K2, "RES 33.2K OHM 1% 1/10W 0603"
R3 R5: library part RMCF0603FT10K0, "RES 10K OHM 1% 1/10W 0603"
R4: library part RMCF0603FT13K7, "RES 13.7K OHM 1% 1/10W 0603"
R6 R10 R13 R14 R15 R27 R35 R36 R37 R38 R39 R41 R43: library part RMCF0603FT100K, "RES 100K OHM 1% 1/10W 0603"
R8: library part CR0603-FX-1202ELF, "RES SMD 12K OHM 1% 1/10W 0603"
R9 R26: library part CR0603-JW-331ELF, "RES SMD 330 OHM 5% 1/10W 0603"
R11 R12 R16 R17 R18 R19: library part CR0603-JW-182ELF, "RES SMD 1.8K OHM 5% 1/10W 0603"
R20 R21 R22 R23 R24 R25 R28 R29 R30 R31 R32 R33 R34: library part CR0603-JW-220ELF, "RES SMD 22 OHM 5% 1/10W 0603"
R42: library part RC0603JR-07120RL, "RES SMD 120 OHM 5% 1/10W 0603"
TP1 TP2 TP3 TP4 TP8: library part TP, "Test Point"
TP5 TP6 TP7: library part TP
U1 U2: "Buck Switching Regulator IC Positive Adjustable 0.76V 1 Output 5A SOT-23-6 Thin, TSOT-23-6"
U3: "IC HUB CTLR 4PORT USB 2.0 HS 36S"
U4: "IC EEPROM 64K I2C 1MHZ 8TSSOP"
U5 U6 U7 U8 U10 U11: "4x TVS DIODE 5.5V SOT23-6"
U9: "IC TXRX 3.3V RS485/422 8 SOIC"
X1: library part "Raspberry CM Connector", "CONN SKT SODIMM 200POS R/A SMD"
X2: "CONN MICRO SD CARD"
X3: library part ALAFASAT_TRX_PCI, "CONN PCI EXP MINI FEMALE 52POS"
XT1: library part TSX-3225-24.0000MF15X-AC61, "CRYSTAL 24.00 MHZ 9.0PF SMD"

## Free pads (board coordinates)
  round 6 hole 3.4: 1(7,3.8) 1(7.65,89.5) 1(81.35,89.5) 1(82,3.8)

## Via types
v1: diameter 0.705, hole 0.4, Top Layer to Bot Layer, tented both sides, 366 vias
v2: diameter 0.605, hole 0.3, Top Layer to Bot Layer, tented both sides, 251 vias
v3: diameter 0.605, hole 0.3, Top Layer to Bot Layer, 10 vias

## Nets (pads, with @x,y where several pads share a name; then routed paths per layer and width w, separated by ;. In a path a pad name is that pad's centre, name@x,y a point inside that pad or via, vN(x,y) a via of type N, cw(c..) or ccw(c..) an arc to the next point about the centre after c; other vN are vias at no path point)
5V_USB1: JP2.1 P5.1 | length 8.7
  Top Layer w0.4: P5.1@40.9,6 40.9,7.288 41.212,7.6 JP2.1@48.175,7.6
5V_USB2: JP1.1 P6.1 | length 14.8
  Top Layer w0.4: JP1.1@53.95,7.606 53.981,7.575 v2(58.2,7.575) v2(58.775,7.575) ; P6.1@65.125,6 v2(65.125,7.525) v2(65.125,8.15)
  Bot Layer w0.4: v2(58.2,7.575) v2(58.775,7.575) 59.35,8.15 v2(65.125,8.15) v2(65.125,7.525)
+1V8: C12.1 C17.1 C18.1 C19.1 C20.1 L2.2 R4.2 R13.2 R27.2 TP3.0 X1.183 X1.184 X1.185 X1.186 | length 87.2
  Top Layer w0.2: R13.2@10.95,65.825 14.025,65.825 14.8,65.05 v2(20.225,65.05) ; v2(64.775,38.35) 64.35,38.775 64.35,42.975 67.1,45.725 67.1,48.625 65.65,50.075 65.65,51.25 65.8,51.4 72.5,51.4 75.7,54.6 R27.2@75.7,56.15
  Top Layer w0.3: X1.186@19.55,68.938 19.55,67.575 v2(20.15,66.975) ; v2(19.85,75.625) X1.185@19.85,77.138 ; X1.184@20.15,68.938 20.15,67.675 20.775,67.05 v2(20.775,66.975) ; v2(20.45,75.625) X1.183@20.45,77.138 ; v2(21.4,66.35) v2(20.775,66.35) 20.462,66.663 v2(20.15,66.975) ; v2(21.4,66.975) v2(20.775,66.975) ; v2(20.15,66.975) v2(20.775,66.975)
  Top Layer w0.4: C19.1@54.713,31.4 C18.1@56.625,31.4 C17.1@58.513,31.4
  Top Layer w0.5: TP3.0@50.375,35.95 TP3.0@50.575,35.95 52.95,35.95 54.9,34 ; v1(52.225,30.675) v1(52.225,29.95) 52.6,29.95 v1(52.975,29.95) ; v1(52.975,30.675) v1@52.975,31.325 ; v1(52.975,31.4) C19.1@54.713,31.4 ; L2.2@56.637,33.775 56.662,33.8 60.2,33.8 R4.2@60.2,35.125
  Top Layer w1: 52.6,31.15 52.6,30.675 52.6,29.95 52.6,27.525 C12.1@52.7,27.425
  Bot Layer w0.2: v1(52.975,30.675) 62.1,30.675 64.775,33.35 v2(64.775,38.35)
  other v1: 52.225,31.4
+3V3: A1.6 C2.1 C7.1 C8.1 C9.1 C10.1 C21.2 C22.2 C34.2 C35.2 C36.2 C38.2 C39.2 C40.2 C41.2 C42.2 C43.2 C46.1 C47.2 C48.2 C49.2 C50.2 D3.2 FB1.1 L1.2 P3.15 P4.15 R2.2 R6.2 R10.2 R14.2 R16.2 R17.2 R18.2 R19.2 R28.1 R39.2 TP1.0 U3.15 U3.23 U4.8 U6.5 U7.5 U8.5 U9.8 U11.5 X1.4 X1.6 X1.39 X1.40 X1.41 X1.42 X1.189 X1.190 X1.191 X1.192 X1.193 X1.194 X2.4 | length 142.9
  Top Layer w0.2: v2(20.7,36.2) 20.7,36.4 R28.1@21.063,36.763 ; R6.2@21.164,39.783 21.408,40.027 v2(21.926,40.027) ; C35.2@22.6,43.825 23.275,43.15 23.275,42.425 24.575,41.125 U3.23@25.225,41.125 ; C34.2@26.275,46.4 C34.2@26.275,46.575 ; R39.2@58.225,27.6 v2(58.225,28.75) ; R10.2@65.525,39.1 R10.2@65.525,39.125 v2(65.525,40.2) ; U9.8@70.21,27.775 70.21,28.66 70.375,28.825 70.825,28.825 C49.2@71.888,27.762 ; v2(71.125,27) C49.2@71.888,27.762 ; C36.2@71.325,39.1 C36.2@71.325,39.125 v2(71.325,40.1) ; C49.2@71.9,27.725 71.9,27.75 C49.2@71.888,27.762 ; C49.2@71.9,27.775 C49.2@71.888,27.762
  Top Layer w0.25: C34.2@26.275,46.4 27.525,45.15 U3.15@27.525,43.925
  Top Layer w0.3: P3.15@9.05,16.5 10.525,16.5 11.275,15.75 C38.2@12.575,15.75 ; P4.15@9.05,45.9 10.875,45.9 11.55,45.225 C39.2@12.575,45.225 ; v2(12.026,82.675) R14.2@12.026,83.399 ; v2(12.575,14.75) C38.2@12.575,15.75 ; v2(12.575,44.225) C39.2@12.575,45.225 ; R17.2@14,18.75 R16.2@14,17.225 14,17.175 C38.2@12.575,15.75 ; R19.2@14,48.125 R18.2@14,46.6 13.95,46.6 C39.2@12.575,45.225 ; v2(17.15,66.425) v2(17.15,67.025) X1.194@17.15,68.938 ; X1.193@17.45,77.138 17.45,75.75 v2(17.6,75.6) ; v2(17.75,66.425) v2(17.75,67.025) X1.192@17.75,68.938 ; v2(18.05,75.2) 18.05,75.6 X1.191@18.05,77.138 ; v2(18.35,66.425) v2(18.35,67.025) X1.190@18.35,68.938 ; v2(18.5,75.6) 18.525,75.6 18.65,75.725 X1.189@18.65,77.138 ; 41.338,30.637 C9.1@41.338,31.4 ; 41.338,32.412 C9.1@41.338,31.4 ; C7.1@45.138,31.4 C8.1@43.238,31.4 C9.1@41.338,31.4 ; v2(50.9,12.5) U8.5@50.9,13.4 ; X1.42@62.75,68.938 62.75,67.45 63.025,67.175 64.075,67.175 v2(64.103,67.203) ; X1.41@63.05,77.138 63.05,75.375 63.475,74.95 v2(64.325,74.95) ; v2(65.525,61.5) 66.425,61.5 66.5,61.575 66.55,61.625 C43.2@66.55,61.525 U6.5@66.55,59.8 ; v2(66.375,79.775) 67.25,78.9 X1.39@67.25,77.138 ; v2(66.45,66.8) 66.95,67.3 X1.40@66.95,68.938 ; U4.8@71.325,37.525 C36.2@71.325,39.1 ; v2(77.15,67.325) X1.6@77.15,68.938 ; v2(77.75,66.75) X1.4@77.75,68.938 ; U11.5@80.825,82.2 C50.2@82.5,82.2 v2(83.575,82.2) ; D3.2@87.275,62.15 v2(87.275,63.725)
  Top Layer w0.4: C35.2@22.6,43.825 21.925,44.5 v1(21.925,46.55) 21.95,46.575 C21.2@23.475,46.575 C22.2@24.875,46.575 C34.2@26.275,46.575 ; FB1.1@33.275,47.985 33.535,47.985 v2(34.325,48.775) ; 43.238,30.662 C8.1@43.238,31.4 43.238,32.513 ; 45.138,30.612 C7.1@45.138,31.4 45.138,32.462 ; U7.5@72.2,59.8 72.2,60.825 73.525,62.15 C42.2@74.575,62.15 v2(74.575,62.875)
  Top Layer w0.5: L1.2@43.25,33.775 L1.2@43.275,33.8 ; C7.1@45.138,31.4 v1(46.7,31.4) ; 45.625,33.8 C10.1@46.825,33.8 ; 46.07,30.682 46.077,30.675 v1(46.7,30.675) ; R2.2@46.825,35.125 C10.1@46.825,33.8 ; C10.1@46.975,33.8 C10.1@46.852,33.8 C10.1@46.825,33.8 ; v2(50.025,19.825) 50.45,19.4 v2(50.475,19.4) 50.508,19.4 C46.1@51.325,18.583 53.125,18.583 54.7,18.583 55.283,18.583 A1.6@57.2,20.5 ; TP1.0@50.675,32.05 49.25,30.625 47.5,30.625 v1(47.45,30.675) ; v2(70.275,41.825) C41.2@67.85,41.825 C40.2@67.85,43.325 67.875,43.3 v2(70.8,43.3) v2(71.4,43.3) ; v2(78.26,46.64) v2(78.9,46.64) X2.4@83.525,46.64 ; v1(46.7,30.675) v1(46.7,29.95) 47.05,29.95 v1(47.45,29.95) v1(47.45,30.675) ; v1(46.7,30.675) v1(46.7,31.4) ; v1(46.7,30.675) 47.05,30.675 v1(47.45,30.675) ; v1(46.7,31.4) 47.375,31.4 47.412,31.363 47.45,31.325 v1(47.45,30.675)
  Top Layer w1: v1@47.05,31.4 47.05,30.675 47.05,29.95 47.05,27.625 C2.1@47.25,27.425
  Bot Layer w0.5: v2(70.8,43.3) v2(71.4,43.3) 71.76,43.3 75.1,46.64 v2(78.26,46.64) v2(78.9,46.64)
  other v1: 47.45,31.4
+5V: C3.1 C4.2 C5.2 C6.1 C13.1 C14.2 C15.2 C16.1 C37.2 F1.2 JP1.2 JP2.2 P2.19 Q2.1 R1.2 R11.2 R12.2 TP2.0 U1.3 U1.5 U2.3 U2.5 U5.5 U10.1 U10.3 U10.4 U10.5 U10.6 X1.197 X1.198 X1.199 X1.200 | length 162.8
  Top Layer w0.2: P2.19@7.875,73.9 v2(7.875,74.75) ; v2(65.95,53.35) 65.6,53 65.6,52.025 65.825,51.8 72,51.8 73.975,53.775 73.975,58.625 75.475,60.125 75.475,61.35 79.4,65.275 R1.2@87.275,65.275
  Top Layer w0.3: U5.5@5.95,79.075 C37.2@7.45,79.075 ; R12.2@6.522,83.4 R11.2@7.975,83.4 8.875,83.4 9.325,82.95 Q2.1@9.325,81.6 v2(9.325,80.675) ; C37.2@7.45,79.275 7.9,78.825 v2(8.5,78.825) ; v2(15.35,66.45) v2(15.35,67.05) X1.200@15.35,68.938 ; v2(15.65,75.625) X1.199@15.65,77.138 ; v2(15.95,66.45) v2(15.95,67.05) X1.198@15.95,68.938 ; v2(16.25,75.625) X1.197@16.25,77.138 ; 42.55,47.464 42.75,47.264 ; U1.5@43.258,44.112 43.258,45.008 43.85,45.6 C4.2@45.986,45.6 ; U2.5@56.65,44.112 56.65,45 57.25,45.6 C15.2@59.383,45.6
  Top Layer w0.5: 44.825,47.464 TP2.0@44.827,50 ; 45.253,41.4 45.35,41.4 C3.1@46.125,40.625 ; 49.3,47.264 49.329,47.235 U10.6@49.329,44.087 U10.1@49.329,41.387 49.329,40.504 v2(49.325,40.5) v2(49.325,39.9) ; JP2.2@49.79,7.6 v2(50.9,7.6) v2(51.5,7.6) 52.604,7.6 JP1.2@52.61,7.606 ; U10.5@50.279,44.087 50.279,47.243 50.3,47.264 ; U10.3@51.229,41.387 U10.4@51.229,44.087 51.229,47.093 51.4,47.264 ; 58.662,41.412 58.738,41.412 C13.1@59.525,40.625
  Top Layer w0.6: C6.1@45.978,42.125 45.986,42.133 C5.2@45.986,43.875 C4.2@45.986,45.6 45.986,47.264 ; C16.1@59.375,42.125 59.383,42.133 C14.2@59.383,43.875 C15.2@59.383,45.6 59.383,46.683
  Top Layer w0.8: 52,47.264 52.1,47.364 ; 57.125,47.364 F1.2@57.125,49.1
  Top Layer w0.9: U1.3@44.375,41.4 45.253,41.4 45.825,41.972 C6.1@45.825,41.975 ; U2.3@57.75,41.412 58.662,41.412 C16.1@59.375,42.125
  Top Layer w1.6: 37.6,47.264 38.325,47.264 39.075,47.264 42.75,47.264 45.986,47.264 49.3,47.264 50.3,47.264 51.4,47.264 52,47.264 59.364,47.264
  Bot Layer w0.2: v2(59.9,47.3) v2(65.95,53.35)
  Bot Layer w0.5: v2(49.325,40.5) v2(49.325,39.9) 50.2,39.025 50.2,24.825 47.725,22.35 47.725,12.65 51.175,9.2 51.175,7.875 v2(50.9,7.6)
  other v1: 37.575,46.875 38.325,46.875 39.075,46.875 37.575,47.675 38.325,47.675 39.075,47.675
+VBAT_TRX: P7.14 P7.16 X3.9 X3.10 X3.11 X3.12 X3.13 X3.14 X3.15 X3.16 | length 25.1
  Top Layer w0.4: X3.10@76.9,15.4 76.925,15.425 v1(79.95,15.425) ; X3.12@76.9,16.2 v1(79.95,16.2) ; X3.14@76.9,17 76.925,16.975 v1(79.925,16.975) ; X3.16@76.9,17.8 76.925,17.775 v1(79.925,17.775) ; v1(81.775,17.375) 84.975,17.375 X3.15@85,17.4 ; v1(81.8,15.85) 84.95,15.85 X3.11@85,15.8 ; v1(81.8,16.575) 84.975,16.575 X3.13@85,16.6 ; v1(81.825,14.975) 84.875,14.975 84.9,15 84.95,14.95 X3.9@85,15
+VDDA_USB: C23.2 C24.2 C25.2 C26.2 C27.2 FB1.2 TP4.0 U3.5 U3.10 U3.29 U3.36 | length 23.3
  Top Layer w0.2: U3.36@30.025,38.325 30.025,37.825 30.375,37.475 v2(31.25,37.475) ; U3.5@30.825,41.125 32.975,41.125 33.65,40.45 C25.2@33.675,40.425 ; v2@33.275,45.275 FB1.2@33.275,46.575 34.675,46.575 35.6,47.5 TP4.0@35.6,50 ; C25.2@33.675,40.475 C25.2@33.675,40.425 ; v2(34.35,39.6) 33.675,40.275 C25.2@33.675,40.425
  Top Layer w0.25: C24.2@24.575,35.65 C24.2@24.575,35.75 ; v2(24.875,36.65) 24.875,35.75 26.275,35.75 26.525,36 U3.29@26.525,38.325 ; U3.10@30.025,43.925 30.025,44.7 30.475,45.15 30.475,46.475 30.525,46.525 30.575,46.575 C27.2@31.875,46.575 FB1.2@33.275,46.575
  other v2: 33.275,45.25
AF_BUSY: P7.1 U11.3 X1.34 X3.25 X3.26 | length 87.7
  Top Layer w0.2: X1.34@68.75,68.938 68.75,71 69.025,71.275 v2(69.875,71.275) ; v1(75.2,25) X3.26@76.9,25 79.4,25 79.8,24.6 X3.25@85,24.6
  Top Layer w0.3: P7.1@68.63,86.3 69.9,85.03 69.9,83.775 72.425,81.25 ; 72.45,81.25 v2(76.225,81.25) U11.3@78.125,81.25
  Bot Layer w0.2: v1(75.2,25) 76.175,25.975 76.175,29.075 69.525,35.725 69.525,68.75 69.875,69.1 v2(69.875,71.275) 69.875,74.9 v2(76.225,81.25)
AF_INT: P7.3 U11.1 X1.36 X3.23 X3.24 | length 96.9
  Top Layer w0.2: X1.36@68.15,68.938 68.15,71.3 68.775,71.925 v2(69.225,71.925) ; v1(74.125,24.2) X3.24@76.9,24.2 79.55,24.2 79.95,23.8 X3.23@85,23.8
  Top Layer w0.3: P7.3@66.09,86.3 67.715,87.925 74.25,87.925 v2(78.05,84.125) 78.125,84.05 U11.1@78.125,83.15
  Bot Layer w0.2: v1(74.125,24.2) 74.125,24.925 75.537,26.337 75.537,28.763 69.05,35.25 69.05,69.025 69.225,69.2 v2(69.225,71.925) 69.225,75.3 v2(78.05,84.125)
AF_SCL: P7.4 U4.6 U11.4 X1.11 X3.31 X3.32 | length 120
  Top Layer w0.2: U4.6@71.325,36.225 73.675,36.225 74,35.9 v2(74,27.4) X3.32@76.9,27.4 80.65,27.4 81.05,27 X3.31@85,27 ; X1.11@75.65,77.138 75.65,78.45 76.425,79.225 80.45,79.225 80.825,79.6 v2(80.825,80.25) U11.4@80.825,81.25 ; 79.975,80.375 79.975,80.4
  Top Layer w0.3: P7.4@66.09,83.76 70,79.85 79.425,79.85 79.975,80.4 U11.4@80.825,81.25
  Bot Layer w0.2: v2(74,27.4) 74,28.7 68.15,34.55 68.15,76.1 77.2,85.15 79.925,85.15 80.825,84.25 v2(80.825,80.25)
AF_SDA: P7.2 U4.5 U11.6 X1.9 X3.33 X3.34 | length 119
  Top Layer w0.2: U4.5@71.325,35.575 v2(73.275,35.575) ; v2(74.725,35.6) v2(74.725,28.2) X3.34@76.9,28.2 80.025,28.2 80.425,27.8 X3.33@85,27.8 ; X1.9@76.25,77.138 76.25,78.484 76.591,78.825 82.3,78.825 84.225,80.75 84.225,82.55 83.625,83.15 U11.6@80.825,83.15
  Top Layer w0.3: P7.2@68.63,83.76 71.865,80.525 79.025,80.525 79.475,80.975 79.475,82.625 v2(79.95,83.1) ; v2@80,83.15 U11.6@80.825,83.15
  Bot Layer w0.2: P7.2@68.6,83.73 P7.2@68.63,83.76 ; v2(73.275,35.575) 74.7,35.575 v2(74.725,35.6) ; v2(74.725,28.2) 74.725,28.65 68.6,34.775 68.6,75.775 77.575,84.75 79.375,84.75 79.95,84.175 v2(79.95,83.1)
CAM0_C_N: P3.8 X1.144 | length 59.5
  Top Layer w0.2: P3.8@9.05,23.5 10.15,23.5 10.45,23.2 15.875,23.2 17.95,25.275 17.95,46.966 32.275,61.291 32.275,67.713 32.15,67.838 X1.144@32.15,68.938
CAM0_C_P: P3.9 X1.142 | length 60.2
  Top Layer w0.2: P3.9@9.05,22.5 10.15,22.5 10.45,22.8 16.041,22.8 18.35,25.109 18.35,46.8 32.675,61.125 32.675,67.763 32.75,67.838 X1.142@32.75,68.938
CAM0_D0_N: P3.2 X1.138 | length 56.7
  Top Layer w0.2: P3.2@9.05,29.5 10.15,29.5 10.45,29.2 15.275,29.2 16.3,30.225 16.3,47.791 29.225,60.716 29.225,64.925 29.1,65.05 29.1,65.85 v2(29.7,66.45) ; v2(33.925,66.825) 33.95,66.85 X1.138@33.95,68.938
  Bot Layer w0.2: v2(29.7,66.45) 30.275,65.875 32.975,65.875 v2(33.925,66.825)
CAM0_D0_P: P3.3 X1.136 | length 57
  Top Layer w0.2: P3.3@9.05,28.5 10.15,28.5 10.45,28.8 15.5,28.8 16.75,30.05 16.75,47.675 29.625,60.55 29.625,64.975 ; v2@29.625,65.091 29.625,64.975 ; v2(29.801,65.278) 29.801,65.151 29.625,64.975 ; v2(34.55,66.2) X1.136@34.55,68.938
  Bot Layer w0.2: v2(29.801,65.278) 33.628,65.278 v2(34.55,66.2)
CAM0_D1_N: P3.5 X1.150 | length 58.6
  Top Layer w0.2: P3.5@9.05,26.5 10.15,26.5 10.45,26.2 12.275,26.2 12.525,26.45 12.525,27.525 12.675,27.675 13,27.675 13.125,27.55 13.125,26.375 13.3,26.2 16.45,26.2 17.15,26.9 17.15,47.425 30.425,60.7 30.425,67.763 30.35,67.838 X1.150@30.35,68.938
CAM0_D1_P: P3.6 X1.148 | length 58.9
  Top Layer w0.2: P3.6@9.05,25.5 10.15,25.5 10.45,25.8 14.05,25.8 14.175,25.675 14.175,24.75 14.35,24.575 14.65,24.575 14.8,24.725 14.8,25.675 14.925,25.8 16.616,25.8 17.55,26.734 17.55,47.2 30.85,60.5 30.85,67.775 30.95,67.875 X1.148@30.95,68.938
CAM0_LED: P3.12 X1.76 | length 75
  Top Layer w0.2: P3.12@9.05,19.5 10.225,19.5 11.025,20.3 21.916,20.3 31.266,29.65 31.975,29.65 v2(32.95,30.625) ; X1.76@52.55,68.938 52.553,68.935 52.553,63.198 52.575,63.175 52.578,63.178 v2(52.603,63.178)
  Bot Layer w0.2: v2(32.95,30.625) 32.95,36.05 52.603,55.703 v2(52.603,63.178)
CAM0_SCL: P3.13 R17.1 X1.30 | length 87.7
  Top Layer w0.2: P3.13@9.05,18.5 11.275,18.5 11.525,18.75 R17.1@12.45,18.75 12.45,18.925 13.425,19.9 22.081,19.9 31.381,29.2 32.725,29.2 v2(33.8,30.275) ; v2(66.5,64.45) 69.45,64.45 69.95,64.95 X1.30@69.95,68.938
  Bot Layer w0.2: v2(33.8,30.275) 33.8,36.15 62.1,64.45 v2(66.5,64.45)